# Altium PCB Quad-Stage-Prototype_V1.0.PcbDoc (part 2 of 3)
Units mm, origin at the board's own origin, x right, y up, seen from the top; angles counter-clockwise.
Board outline 267.25 x 88.5 mm, 2 copper layers (Top Layer, Bottom Layer), stack 1.548 mm thick; 272 components, 212 nets, 959 pads, 903 vias.
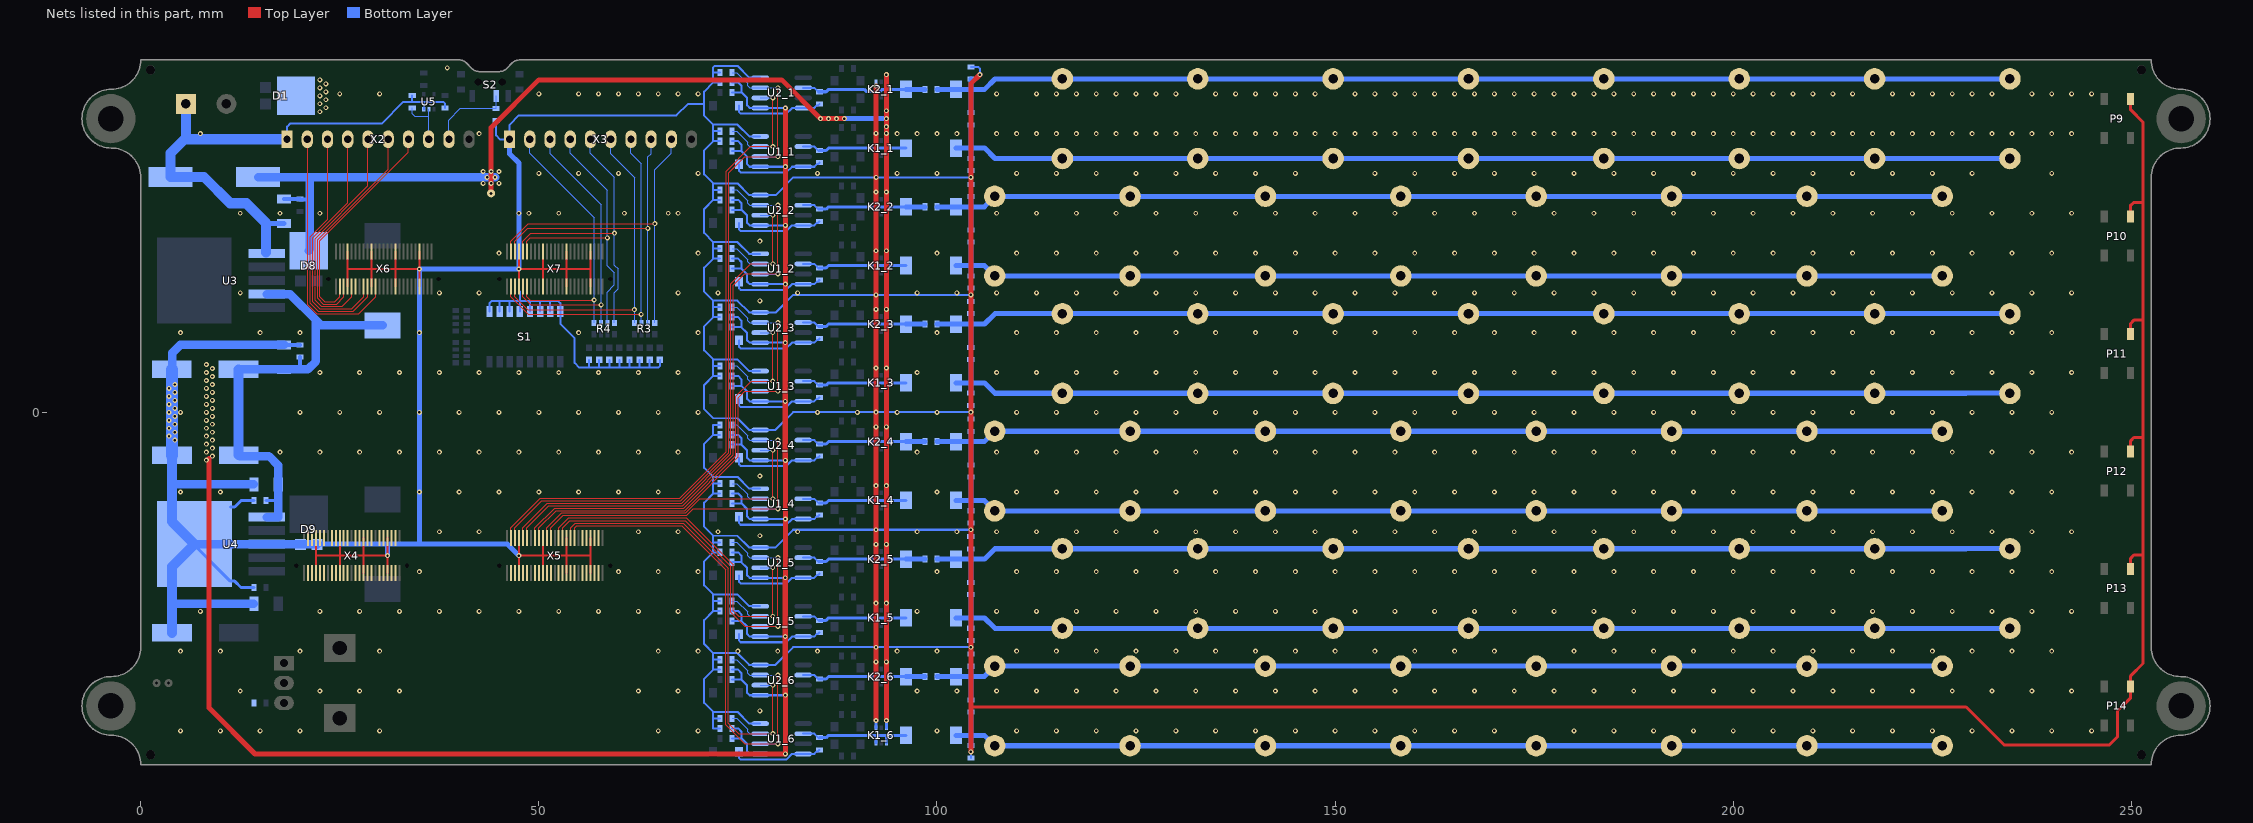
[diagram p2: the nets of this part, all layers, seen from the top]

## Via types
v1: diameter 0.62, hole 0.3, Top Layer to Bottom Layer, tented both sides, 903 vias

## Nets (pads, with @x,y where several pads share a name; then routed paths per layer and width w, separated by ;. In a path a pad name is that pad's centre, name@x,y a point inside that pad or via, vN(x,y) a via of type N, cw(c..) or ccw(c..) an arc to the next point about the centre after c; other vN are vias at no path point) (continued)
12V: C1_1.2 C1_2.2 C1_3.2 C1_4.2 C1_5.2 C1_6.2 C6_1.2 C6_2.2 C6_3.2 C6_4.2 C6_5.2 C6_6.2 C8.P C9.2 C10.2 C13.P C14.2 C15.2 D1.K L3.1 R5_1.2 R5_2.2 R5_3.2 R5_4.2 R5_5.2 R5_6.2 R8_1.2 R8_2.2 R8_3.2 R8_4.2 R8_5.2 R8_6.2 U1_1.1 U1_2.1 U1_3.1 U1_4.1 U1_5.1 U1_6.1 U2_1.1 U2_2.1 U2_3.1 U2_4.1 U2_5.1 U2_6.1 U3.4 U4.1 | length 368.7
  Top Layer w0.635: 8.6,-5.8 8.6,-37.144 14.353,-42.897 v1(80.953,-42.897) v1(80.953,-35.523) ; v1@80.949,-35.52 v1(80.949,-28.152) v1(80.949,-20.778) ; v1@80.949,-5.995 v1(80.949,1.373) v1(80.949,8.747) ; v1@80.953,-20.765 v1(80.953,-13.397) v1(80.953,-6.023) ; v1@80.953,8.735 v1(80.953,16.103) v1(80.953,23.477) ; v1@80.956,23.48 v1(80.956,30.848) v1(80.956,38.222)
  Bottom Layer w0.254: R5_5.2@74.258,-26.2 75.443,-26.2 ; C1_5.2@74.258,-24.95 75.019,-24.95 75.443,-25.374 75.443,-26.2 ; R8_5.2@74.258,-18.826 75.443,-18.826 ; C6_5.2@74.258,-17.576 75.019,-17.576 75.443,-18 75.443,-18.826 ; R5_3.2@74.258,3.325 75.443,3.325 ; C1_3.2@74.258,4.575 75.019,4.575 75.443,4.151 75.443,3.325 ; R8_3.2@74.258,10.699 75.443,10.699 ; C6_3.2@74.258,11.949 75.019,11.949 75.443,11.525 75.443,10.699 ; R5_6.2@74.262,-40.945 75.447,-40.945 ; C1_6.2@74.262,-39.695 75.023,-39.695 75.447,-40.119 75.447,-40.945 ; R8_6.2@74.262,-33.571 75.447,-33.571 ; C6_6.2@74.262,-32.321 75.023,-32.321 75.447,-32.745 75.447,-33.571 ; R5_4.2@74.262,-11.445 75.447,-11.445 ; C1_4.2@74.262,-10.195 75.023,-10.195 75.447,-10.619 75.447,-11.445 ; R8_4.2@74.262,-4.071 75.447,-4.071 ; C6_4.2@74.262,-2.821 75.023,-2.821 75.447,-3.245 75.447,-4.071 ; R5_2.2@74.262,18.055 75.447,18.055 ; C1_2.2@74.262,19.305 75.023,19.305 75.447,18.881 75.447,18.055 ; R8_2.2@74.262,25.429 75.447,25.429 ; C6_2.2@74.262,26.679 75.023,26.679 75.447,26.255 75.447,25.429 ; R5_1.2@74.265,32.8 75.45,32.8 ; C1_1.2@74.265,34.05 75.026,34.05 75.45,33.626 75.45,32.8 ; R8_1.2@74.265,40.174 75.45,40.174 ; C6_1.2@74.265,41.424 75.026,41.424 75.45,41 75.45,40.174 ; v1@80.949,-28.159 U1_5.1@77.796,-28.159 76.472,-28.159 76.143,-27.83 76.143,-26.9 75.443,-26.2 ; v1@80.949,-20.785 U2_5.1@77.796,-20.785 76.472,-20.785 76.143,-20.456 76.143,-19.526 75.443,-18.826 ; v1@80.949,1.366 U1_3.1@77.796,1.366 76.472,1.366 76.143,1.695 76.143,2.625 75.443,3.325 ; v1@80.949,8.74 U2_3.1@77.796,8.74 76.472,8.74 76.143,9.069 76.143,9.999 75.443,10.699 ; v1@80.953,-42.904 U1_6.1@77.8,-42.904 76.476,-42.904 76.147,-42.575 76.147,-41.645 75.447,-40.945 ; v1@80.953,-35.53 U2_6.1@77.8,-35.53 76.476,-35.53 76.147,-35.201 76.147,-34.271 75.447,-33.571 ; v1@80.953,-13.404 U1_4.1@77.8,-13.404 76.476,-13.404 76.147,-13.075 76.147,-12.145 75.447,-11.445 ; v1@80.953,-6.03 U2_4.1@77.8,-6.03 76.476,-6.03 76.147,-5.701 76.147,-4.771 75.447,-4.071 ; v1@80.953,16.096 U1_2.1@77.8,16.096 76.476,16.096 76.147,16.425 76.147,17.355 75.447,18.055 ; v1@80.953,23.47 U2_2.1@77.8,23.47 76.476,23.47 76.147,23.799 76.147,24.729 75.447,25.429 ; v1@80.956,30.841 U1_1.1@77.803,30.841 76.479,30.841 76.15,31.17 76.15,32.1 75.45,32.8 ; v1@80.956,38.215 U2_1.1@77.803,38.215 76.479,38.215 76.15,38.544 76.15,39.474 75.45,40.174
  Bottom Layer w0.381: C15.2@15.762,-11.1 17.266,-11.1 17.274,-11.092
  Bottom Layer w0.508: 20,5.401 C10.2@20,6.938
  Bottom Layer w1.067: C8.P@12.3,5.4 C9.2@18,5.401 ; C13.P@12.325,-5.4 12.425,-5.5 16.1,-5.5 17.274,-6.674 C14.2@17.274,-9.05 17.274,-11.092 17.274,-13.133 17.257,-13.15 U4.1@15.85,-13.15 ; U3.4@15.825,14.85 15.842,14.833 18.767,14.833 22,11.6 ; C9.2@18,5.401 20,5.401 21.001,5.401 22,6.4 22,11.6 ; L3.1@30.375,10.925 22.675,10.925 22,11.6
  Bottom Layer w1.27: C13.P@12.3,-5.375 C8.P@12.3,5.4
  other v1: 8.25,-6 9,-5.5 8.25,-5 9,-4.5 8.25,-4 9,-3.5 8.25,-3 9,-2.5 8.25,-2 9,-1.5 8.25,-1 9,-0.5 8.25,0 9,0.5 8.25,1 9,1.5 8.25,2 9,2.5 8.25,3 9,3.5 8.25,4 9,4.5 8.25,5 9,5.5 8.25,6 22.5,37.75 23.25,38.25 22.5,38.75 23.25,39.25 22.5,39.75 23.25,40.25 22.5,40.75 23.25,41.25 22.5,41.75
BCLK: X2.4 X6.8 | length 30.9
  Top Layer w0.152: X2.4@26.005,34.29 26.005,26.336 21.586,21.917 21.586,13.914 22.514,12.986 26.486,12.986 28,14.5 X6.8@28,15.8
C\S\: X2.7 X6.2 | length 28.7
  Top Layer w0.152: X6.2@25,15.8 25,14.5 24.4,13.9 23.1,13.9 22.51,14.49 22.51,21.547 33.625,32.663 X2.7@33.625,34.29
DATA: X2.2 X6.11 | length 31.9
  Top Layer w0.152: X2.2@20.976,34.29 20.976,13.524 22.124,12.376 27.376,12.376 29.5,14.5 X6.11@29.5,15.8
FPGA_A2: X4.2
FPGA_A3: X4.3
FPGA_A5: X4.5
FPGA_A6: X4.6
FPGA_A8: X4.8
FPGA_A9: X4.9
FPGA_A11: X4.11
FPGA_A12: X4.12
FPGA_A14: X4.14
FPGA_A15: X4.15
FPGA_A17: X4.17
FPGA_A18: X4.18
FPGA_A20: X4.20
FPGA_A21: X4.21
FPGA_A23: X4.23
FPGA_A24: X4.24
FPGA_A27: X4.27
FPGA_A28: X4.28
FPGA_A30: X4.30
FPGA_A31: X4.31
FPGA_A33: X4.33
FPGA_A34: X4.34
FPGA_A36: X4.36
FPGA_A37: X4.37
FPGA_A39: X4.39
FPGA_A40: X4.40
FPGA_A42: X4.42
FPGA_A43: X4.43
FPGA_A45: X4.45
FPGA_A46: X4.46
FPGA_A48: X4.48
FPGA_A49: X4.49
FPGA_B2: X5.2
FPGA_B3: X5.3
FPGA_B5: X5.5
FPGA_B6: X5.6
FPGA_B8: X5.8
FPGA_B9: X5.9
FPGA_B11: X5.11
FPGA_B12: X5.12
FPGA_B14: X5.14
FPGA_B15: X5.15
FPGA_B17: X5.17
FPGA_B18: X5.18
FPGA_B20: X5.20
FPGA_B21: X5.21
FPGA_B23: X5.23
FPGA_B24: X5.24
FPGA_B27: X5.27
FPGA_B28: X5.28
FPGA_B30: X5.30
FPGA_B31: X5.31
FPGA_C3: X2.6 X6.3 | length 28.9
  Top Layer w0.152: X6.3@25.5,15.8 25.5,14.5 24.595,13.595 22.905,13.595 22.205,14.295 22.205,21.674 31.085,30.554 X2.6@31.085,34.29
FPGA_C5: X2.5 X6.5 | length 29.7
  Top Layer w0.152: X6.5@26.5,15.8 26.5,14.5 25.29,13.29 22.705,13.29 21.9,14.095 21.9,21.8 28.545,28.445 X2.5@28.545,34.29
FPGA_C6: X6.6
FPGA_C9: X2.3 X6.9 | length 31.2
  Top Layer w0.152: X2.3@23.465,34.29 23.465,24.227 21.281,22.043 21.281,13.719 22.319,12.681 26.681,12.681 28.5,14.5 X6.9@28.5,15.8
FPGA_LED0: R3.8 X3.9 X7.49 | length 44.2
  Top Layer w0.152: X7.49@46.5,20.2 46.5,21.5 48.7,23.7 v1(64.567,23.7)
  Bottom Layer w0.152: R3.8@64.565,11.225 64.565,30.465 66.645,32.545 X3.9@66.645,34.29
FPGA_LED1: R3.7 X3.8 X7.48 | length 41.9
  Top Layer w0.152: X7.48@47,20.2 47,21.5 48.6,23.1 v1(63.7,23.1)
  Bottom Layer w0.152: R3.7@63.69,11.225 63.69,32.08 64.105,32.495 X3.8@64.105,34.29
FPGA_LED2: R3.6 X3.7 X7.2 | length 42.2
  Top Layer w0.152: X7.2@46.5,15.8 46.5,14.5 48.7,12.3 v1(62.85,12.3)
  Bottom Layer w0.152: X3.7@61.565,34.29 61.565,32.535 62.89,31.21 62.89,12.34 v1(62.85,12.3) 62.89,12.26 R3.6@62.89,11.225
FPGA_LED3: R3.5 X3.6 X7.3 | length 41.3
  Top Layer w0.152: X7.3@47,15.8 47,14.5 48.6,12.9 v1(62,12.9)
  Bottom Layer w0.152: X3.6@59.025,34.29 59.025,32.475 62.015,29.485 62.015,12.915 v1(62,12.9) 62.015,12.885 R3.5@62.015,11.225
FPGA_LED4: R4.8 X3.5 X7.46 | length 37.9
  Top Layer w0.152: X7.46@48,20.2 48,21.5 49,22.5 v1(59.5,22.5)
  Bottom Layer w0.152: X3.5@56.485,34.29 56.485,32.515 59.5,29.5 59.5,18.5 60,18 60,15.5 59.5,15 59.5,11.24 R4.8@59.485,11.225
FPGA_LED5: R4.7 X3.4 X7.45 | length 37.3
  Top Layer w0.152: X7.45@48.5,20.2 48.5,21.5 48.9,21.9 v1(58.6,21.9)
  Bottom Layer w0.152: X3.4@53.945,34.29 53.945,32.555 58.61,27.89 58.61,18.39 59.5,17.5 59.5,16 58.61,15.11 R4.7@58.61,11.225
FPGA_LED6: R4.6 X3.3 X7.5 | length 37.3
  Top Layer w0.152: X7.5@48,15.8 48,14.5 49,13.5 v1(57.825,13.5)
  Bottom Layer w0.152: X3.3@51.405,34.29 51.405,32.495 57.825,26.075 v1(57.825,13.5) 57.81,13.485 R4.6@57.81,11.225
FPGA_LED7: R4.5 X3.2 X7.6 | length 36.3
  Top Layer w0.152: X7.6@48.5,15.8 48.5,14.5 48.9,14.1 v1(56.95,14.1)
  Bottom Layer w0.152: X3.2@48.865,34.29 48.865,32.535 56.935,24.465 R4.5@56.935,11.225
GND: C1_1.1 C1_2.1 C1_3.1 C1_4.1 C1_5.1 C1_6.1 C3_1.2 C3_2.2 C3_3.2 C3_4.2 C3_5.2 C3_6.2 C5_1.2 C5_2.2 C5_3.2 C5_4.2 C5_5.2 C5_6.2 C6_1.1 C6_2.1 C6_3.1 C6_4.1 C6_5.1 C6_6.1 C8.M C9.1 C10.1 C11.1 C12.M C13.M C14.1 C15.1 C16.1 C17.M C18.1 D9.A K1_1.4 K1_2.4 K1_3.4 K1_4.4 K1_5.4 K1_6.4 K2_1.4 K2_2.4 K2_3.4 K2_4.4 K2_5.4 K2_6.4 P1.K P2.K P3.K P4.K P5.K P6.K P7.K P8.K P9.3 P10.3 P11.3 P12.3 P13.3 P14.3 R11_1.1 R11_2.1 R11_3.1 R11_4.1 R11_5.1 R11_6.1 R12_1.1 R12_2.1 R12_3.1 R12_4.1 R12_5.1 R12_6.1 R16.1 R17.1 R18.1 R20.1 S1.1 S1.2 S1.3 S1.4 S1.5 S1.6 S1.7 S1.8 U1_1.4 U1_2.4 U1_3.4 U1_4.4 U1_5.4 U1_6.4 U2_1.4 U2_2.4 U2_3.4 U2_4.4 U2_5.4 U2_6.4 U3.1 U4.3 U5.3 X1.1 X2.1 X3.1 X4.4 X4.10 X4.16 X4.22 X4.29 X4.35 X4.41 X4.47 X5.4 X5.10 X5.16 X5.22 X5.29 X5.35 X5.41 X5.47 X6.4 X6.10 X6.16 X6.22 X6.29 X6.35 X6.41 X6.47 X7.4 X7.10 X7.16 X7.22 X7.29 X7.35 X7.41 X7.47 | length 1204.5
  Top Layer w0.25: X4.4@22,-20.2 22,-18 ; X4.47@22,-15.8 22,-18 ; X4.10@25,-20.2 25,-18 ; X4.41@25,-15.8 25,-18 ; X6.4@26,15.8 26,18 ; X6.47@26,20.2 26,18 ; X4.16@28,-20.2 28,-18 ; X4.35@28,-15.8 28,-18 ; X6.10@29,15.8 29,18 ; X6.41@29,20.2 29,18 ; X4.22@31,-20.2 v1(31,-18) ; X4.29@31,-15.8 v1(31,-18) ; X6.16@32,15.8 32,18 ; X6.35@32,20.2 32,18 ; X6.22@35,15.8 v1(35,18) ; X6.29@35,20.2 v1(35,18) ; X5.4@47.5,-20.2 v1(47.5,-18) ; X5.47@47.5,-15.8 v1(47.5,-18) ; X7.4@47.5,15.8 v1(47.5,18) ; X7.47@47.5,20.2 v1(47.5,18) ; X5.10@50.5,-20.2 50.5,-18 ; X5.41@50.5,-15.8 50.5,-18 ; X7.10@50.5,15.8 50.5,18 ; X7.41@50.5,20.2 50.5,18 ; X5.16@53.5,-20.2 53.5,-18 ; X5.35@53.5,-15.8 53.5,-18 ; X7.16@53.5,15.8 53.5,18 ; X7.35@53.5,20.2 53.5,18 ; X5.22@56.5,-20.2 56.5,-18 ; X5.29@56.5,-15.8 56.5,-18 ; X7.22@56.5,15.8 56.5,18 ; X7.29@56.5,20.2 56.5,18 ; 22,-18 25,-18 ; 25,-18 28,-18 ; 26,18 29,18 ; 28,-18 v1(31,-18) ; 29,18 32,18 ; 32,18 v1(35,18) ; v1(47.5,-18) 50.5,-18 ; v1(47.5,18) 50.5,18 ; 50.5,-18 53.5,-18 ; 50.5,18 53.5,18 ; 53.5,-18 56.5,-18 ; 53.5,18 56.5,18
  Top Layer w0.381: 104.246,-37 229.25,-37 234,-41.75 247.25,-41.75 248.25,-40.75 248.25,-37.5 249.9,-35.85 P14.3@249.9,-34.425 249.9,-33.087 251.455,-31.532 251.455,-17.925 ; P10.3@249.869,24.606 249.869,25.944 250.281,26.356 251.424,26.356 ; P13.3@249.9,-19.675 249.9,-18.337 250.312,-17.925 251.455,-17.925 ; P12.3@249.9,-4.925 249.9,-3.587 250.312,-3.175 251.455,-3.175 ; P11.3@249.9,9.825 249.9,11.163 250.312,11.575 251.455,11.575 ; P9.3@249.9,39.325 249.9,37.987 251.455,36.432 251.455,11.575 ; 251.455,-17.925 251.455,-3.175 ; 251.455,-3.175 251.455,11.575
  Top Layer w0.635: v1@92.34,-31.329 v1(92.34,-23.961) ; v1@92.34,-1.804 v1(92.34,5.564) ; v1(92.344,-38.706) v1(92.344,-31.332) ; v1@92.344,-23.961 v1(92.344,-9.206) v1(92.344,-1.832) ; v1@92.344,5.564 v1(92.344,20.294) v1(92.344,27.668) ; v1@92.347,27.671 v1(92.347,35.039) v1(92.347,40.963) ; v1(104.246,-29.501) 104.246,-37 104.246,-42.639 v1(104.25,-42.643) ; v1@104.253,-29.501 104.253,-14.746 104.253,0.024 v1(104.253,29.499) 104.253,41.274 v1(105.392,42.413)
  Bottom Layer w0.25: X2.1@18.385,34.29 18.385,35.885 18.75,36.25 30.25,36.25 33,39 34.1,39 ; R20.1@34.1,39.762 34.1,39 ; U5.3@35.55,38.05 35.55,38.95 35.6,39 ; C18.1@38.2,38.238 38.2,38.8 38,39 35.6,39 ; S1.1@43.805,12.65 43.805,13.705 44.1,14 45.1,14 ; R16.1@44.625,36.638 44.625,34.775 45.11,34.29 X3.1@46.325,34.29 46.325,36.105 47.5,37.28 67.28,37.28 68.75,38.75 70.757,38.75 ; S1.2@45.075,12.65 45.075,13.975 45.1,14 ; S1.3@46.345,12.65 46.345,13.975 ; v1(47.5,18) 47.5,15.3 47.615,15.185 47.615,14 ; S1.4@47.615,12.65 47.615,13.975 ; S1.5@48.885,12.65 48.885,13.975 ; S1.6@50.155,12.65 50.155,13.975 ; S1.7@51.425,12.65 51.425,13.975 ; P8.K@56.305,6.6 56.305,5.605 56.3,5.6 ; 57.575,5.605 P7.K@57.575,6.6 ; 58.845,5.605 P6.K@58.845,6.6 ; 60.115,5.605 P5.K@60.115,6.6 ; 61.385,5.605 P4.K@61.385,6.6 ; 62.655,5.605 P3.K@62.655,6.6 ; 63.925,5.605 P2.K@63.925,6.6 ; P1.K@65.195,6.6 65.195,5.795 65,5.6 63.925,5.6 62.655,5.6 61.385,5.6 60.115,5.6 58.845,5.6 57.575,5.6 56.3,5.6 ; C1_5.1@72.734,-24.95 71.893,-24.95 ; R11_5.1@72.734,-23.7 71.893,-23.7 ; C6_5.1@72.734,-17.576 71.893,-17.576 ; R12_5.1@72.734,-16.326 71.893,-16.326 ; C1_3.1@72.734,4.575 71.893,4.575 ; R11_3.1@72.734,5.825 71.893,5.825 ; C6_3.1@72.734,11.949 71.893,11.949 ; R12_3.1@72.734,13.199 71.893,13.199 ; C1_6.1@72.738,-39.695 71.897,-39.695 71.897,-38.445 ; R11_6.1@72.738,-38.445 71.897,-38.445 ; C6_6.1@72.738,-32.321 71.897,-32.321 ; R12_6.1@72.738,-31.071 71.897,-31.071 ; C1_4.1@72.738,-10.195 71.897,-10.195 ; R11_4.1@72.738,-8.945 71.897,-8.945 ; C6_4.1@72.738,-2.821 71.897,-2.821 ; R12_4.1@72.738,-1.571 71.897,-1.571 71.897,-2.821 ; C1_2.1@72.738,19.305 71.897,19.305 ; R11_2.1@72.738,20.555 71.897,20.555 ; C6_2.1@72.738,26.679 71.897,26.679 ; R12_2.1@72.738,27.929 71.897,27.929 ; C1_1.1@72.741,34.05 71.9,34.05 ; R11_1.1@72.741,35.3 71.9,35.3 ; C6_1.1@72.741,41.424 71.9,41.424 ; R12_1.1@72.741,42.674 71.9,42.674 ; U1_5.4@77.796,-24.349 76.418,-24.349 74.943,-22.874 71.893,-22.874 ; U2_5.4@77.796,-16.975 76.418,-16.975 74.943,-15.5 71.893,-15.5 ; U1_3.4@77.796,5.176 76.418,5.176 74.943,6.651 71.893,6.651 ; U2_3.4@77.796,12.55 76.418,12.55 74.943,14.025 71.893,14.025 ; U1_6.4@77.8,-39.094 76.422,-39.094 74.947,-37.619 71.897,-37.619 ; U2_6.4@77.8,-31.72 76.422,-31.72 74.947,-30.245 71.897,-30.245 ; U1_4.4@77.8,-9.594 76.422,-9.594 74.947,-8.119 71.897,-8.119 ; U2_4.4@77.8,-2.22 76.422,-2.22 74.947,-0.745 71.897,-0.745 70.75,0.402 70.75,3.432 71.893,4.575 ; U1_2.4@77.8,19.906 76.422,19.906 74.947,21.381 71.897,21.381 ; U2_2.4@77.8,27.28 76.422,27.28 74.947,28.755 71.897,28.755 ; U1_1.4@77.803,34.651 76.425,34.651 74.95,36.126 71.9,36.126 ; U2_1.4@77.803,42.025 76.425,42.025 74.95,43.5 72.081,43.5 71.9,43.319 71.9,42.674 ; C3_6.2@104.25,-43.387 v1(104.25,-42.643) ; C5_2.2@104.25,28.637 C5_2.2@104.253,28.64 ; C5_1.2@104.253,43.382 105.168,43.382 105.392,43.158 v1(105.392,42.413) v1@105.292,42.413 ; 34.1,39 35.6,39 ; 45.1,14 46.345,14 47.615,14 ; 47.615,14 48.885,14 50.155,14 51.425,14 52.4,14 52.695,13.705 S1.8@52.695,12.65 52.695,11.105 54.5,9.3 54.5,6.2 55.1,5.6 56.3,5.6 ; 70.757,38.75 70.757,40.281 71.9,41.424 ; 70.757,38.75 70.757,37.269 71.9,36.126 ; 71.893,-24.95 71.893,-23.7 ; 71.893,-24.95 70.75,-26.093 70.75,-29.098 71.897,-30.245 ; 71.893,-23.7 71.893,-22.874 ; 71.893,-22.874 70.75,-21.731 70.75,-18.719 71.893,-17.576 ; 71.893,-17.576 71.893,-16.326 ; 71.893,-16.326 71.893,-15.5 ; 71.893,-15.5 70.754,-14.361 70.754,-11.338 71.897,-10.195 ; 71.893,4.575 71.893,5.825 ; 71.893,5.825 71.893,6.651 ; 71.893,6.651 70.75,7.794 70.75,10.806 71.893,11.949 ; 71.893,11.949 71.893,13.199 ; 71.893,13.199 71.893,14.025 ; 71.893,14.025 70.754,15.164 70.754,18.162 71.897,19.305 ; 71.897,-38.445 71.897,-37.619 ; 71.897,-37.619 70.754,-36.476 70.754,-33.464 71.897,-32.321 ; 71.897,-32.321 71.897,-31.071 ; 71.897,-31.071 71.897,-30.245 ; 71.897,-10.195 71.897,-8.945 ; 71.897,-8.945 71.897,-8.119 ; 71.897,-8.119 70.754,-6.976 70.754,-3.964 71.897,-2.821 ; 71.897,19.305 71.897,20.555 ; 71.897,20.555 71.897,21.381 ; 71.897,21.381 70.754,22.524 70.754,25.536 71.897,26.679 ; 71.897,26.679 71.897,27.929 ; 71.897,27.929 71.897,28.755 ; 71.897,28.755 70.757,29.895 70.757,32.907 71.9,34.05 ; 71.9,34.05 71.9,35.3 ; 71.9,35.3 71.9,36.126 ; 71.9,41.424 71.9,42.674
  Bottom Layer w0.254: U2_6.4@77.793,-31.72 79.723,-31.72 81.942,-29.501 v1(104.246,-29.501) ; U2_4.4@77.793,-2.195 79.723,-2.195 81.942,0.024 85,0.024 90,0.024 v1(92.343,0.025) 95,0.024 100,0.024 v1(104.246,0.024) ; U2_5.4@77.797,-16.965 79.727,-16.965 81.946,-14.746 v1(104.25,-14.746) ; U2_3.4@77.797,12.535 79.727,12.535 81.946,14.754 v1(92.347,14.755) v1(104.25,14.754) ; U2_2.4@77.8,27.28 79.73,27.28 81.949,29.499 v1(92.35,29.5) v1(104.253,29.499)
  Bottom Layer w0.381: U4.3@6.75,-16.55 6.75,-16.689 11.259,-21.198 11.798,-21.198 12.6,-22 R18.1@14.238,-22 ; U4.3@11.259,-11.902 11.798,-11.902 12.6,-11.1 C15.1@14.238,-11.1 ; K1_5.4@92.346,-24.867 v1@92.346,-23.967 ; K2_5.4@92.346,-17.493 v1@92.346,-16.593 ; K1_3.4@92.346,4.658 v1@92.346,5.558 ; K2_3.4@92.346,12.032 v1@92.346,12.932 ; K1_6.4@92.35,-39.612 v1@92.35,-38.712 ; K2_6.4@92.35,-32.238 v1@92.35,-31.338 ; K1_4.4@92.35,-10.112 v1@92.35,-9.212 ; K2_4.4@92.35,-2.738 v1@92.35,-1.838 ; K1_2.4@92.35,19.388 v1@92.35,20.288 ; K2_2.4@92.35,26.762 v1@92.35,27.662 ; K1_1.4@92.353,34.133 v1@92.353,35.033 ; C5_6.2@104.246,-30.36 v1(104.246,-29.501) C3_5.2@104.246,-28.642 ; C5_4.2@104.246,-0.835 v1(104.246,0.024) C3_3.2@104.246,0.883 ; C5_5.2@104.25,-15.605 v1(104.25,-14.746) C3_4.2@104.25,-13.887 ; C5_3.2@104.25,13.895 v1(104.25,14.754) C3_2.2@104.25,15.613 ; C5_2.2@104.253,28.64 v1(104.253,29.499) C3_1.2@104.253,30.358
  Bottom Layer w0.508: C9.1@18,8.449 18.013,8.462 C10.1@20,8.462
  Bottom Layer w0.635: 15.75,23.75 15.754,23.746 15.774,23.726 C11.1@18,23.726 ; D9.A@22.085,-16.55 31,-16.55 ; v1(31,-18) 31,-16.55 ; X3.1@46.325,34.29 46.325,32.475 47.5,31.3 v1(47.5,25) v1(47.5,18) v1(35,18) v1(35,10) v1(35,0) v1(35,-10) 35,-16.55 ; v1(47.5,-18) 46.05,-16.55 35,-16.55 ; 31,-16.55 35,-16.55
  Bottom Layer w1.067: C8.M@3.9,5.4 3.975,5.475 3.975,7.475 4.962,8.462 C9.1@18.013,8.462 ; 3.925,-23.9 4.075,-24.05 C16.1@14.226,-24.05 ; 4.075,-9.05 C14.1@14.226,-9.05 ; U4.3@6.75,-16.55 U4.3@15.85,-16.55 20.06,-16.55 22.085,-16.55 D9.A@22.14,-16.605
  Bottom Layer w1.27: C8.M@3.9,5.4 C8.M@3.925,5.375 ; C17.M@3.925,-27.7 3.925,-23.9 3.925,-19.375 U4.3@6.75,-16.55 3.925,-13.725 3.925,-9.05 C13.M@3.925,-5.4 ; X1.1@5.685,38.735 5.685,34.485 5.49,34.29 ; 15.75,23.75 13.25,26.25 11.25,26.25 7.95,29.55 C12.M@3.75,29.55 3.75,32.55 5.49,34.29 ; U3.1@15.754,20.1 15.754,23.746 ; X2.1@18.385,34.29 5.49,34.29
  Bottom Layer w1.524: C13.M@3.925,-5.4 3.925,-3 3.925,-2 3.925,-1 3.925,0 3.925,1 3.925,2 3.925,3 C8.M@3.925,5.375
  other v1: 5,-40 10,-40 15,-40 20,-40 30,-40 65,-40 70,-40 100,-40 110,-40 115,-40 120,-40 125,-40 130,-40 135,-40 140,-40 145,-40 150,-40 155,-40 160,-40 165,-40 170,-40 180,-40 185,-40 190,-40 195,-40 200,-40 205,-40 210,-40 215,-40 220,-40 225,-40 230,-40 235,-40 240,-40 245,-40 77.75,-37.5 12.5,-35 22.5,-35 27.5,-35 32.5,-35 62.5,-35 67.5,-35 97.5,-35 102.5,-35 107.5,-35 112.5,-35 117.5,-35 122.5,-35 127.5,-35 132.5,-35 137.5,-35 142.5,-35 147.5,-35 152.5,-35 157.5,-35 162.5,-35 167.5,-35 172.5,-35 177.5,-35 182.5,-35 187.5,-35 192.5,-35 197.5,-35 202.5,-35 207.5,-35 212.5,-35 217.5,-35 222.5,-35 227.5,-35 232.5,-35 237.5,-35 242.5,-35 5,-30 10,-30 20,-30 30,-30 65,-30 70,-30 75,-30 80,-30 85,-30 95,-30 100,-30 110,-30 115,-30 120,-30 125,-30 130,-30 135,-30 140,-30 145,-30 150,-30 155,-30 160,-30 165,-30 170,-30 180,-30 185,-30 190,-30 195,-30 200,-30 205,-30 210,-30 215,-30 220,-30 225,-30 230,-30 235,-30 240,-30 92.343,-29.5 7.5,-25 22.5,-25 27.5,-25 32.5,-25 37.5,-25 42.5,-25 47.5,-25 52.5,-25 57.5,-25 62.5,-25 67.5,-25 97.5,-25 107.5,-25 112.5,-25 117.5,-25 122.5,-25 127.5,-25 132.5,-25 137.5,-25 142.5,-25 147.5,-25 152.5,-25 157.5,-25 162.5,-25 167.5,-25 172.5,-25 177.5,-25 182.5,-25 187.5,-25 192.5,-25 197.5,-25 202.5,-25 207.5,-25 212.5,-25 217.5,-25 222.5,-25 227.5,-25 232.5,-25 237.5,-25 242.5,-25 35,-20 60,-20 65,-20 70,-20 100,-20 110,-20 115,-20 120,-20 125,-20 130,-20 135,-20 140,-20 145,-20 150,-20 155,-20 160,-20 165,-20 170,-20 175,-20 180,-20 185,-20 190,-20 195,-20 200,-20 205,-20 210,-20 215,-20 220,-20 225,-20 230,-20 235,-20 240,-20 92.34,-16.587 77.75,-15.5 37.5,-15 42.5,-15 62.5,-15 67.5,-15 72.5,-15 82.5,-15 97.5,-15 102.5,-15 107.5,-15 112.5,-15 117.5,-15 122.5,-15 127.5,-15 132.5,-15 137.5,-15 142.5,-15 147.5,-15 152.5,-15 157.5,-15 162.5,-15 167.5,-15 172.5,-15 177.5,-15 182.5,-15 187.5,-15 192.5,-15 197.5,-15 202.5,-15 207.5,-15 212.5,-15 217.5,-15 222.5,-15 227.5,-15 232.5,-15 237.5,-15 242.5,-15 92.347,-14.745 5,-10 10,-10 40,-10 45,-10 50,-10 55,-10 60,-10 65,-10 100,-10 110,-10 115,-10 120,-10 125,-10 130,-10 135,-10 140,-10 145,-10 150,-10 155,-10 160,-10 165,-10 170,-10 175,-10 180,-10 185,-10 190,-10 195,-10 200,-10 205,-10 210,-10 215,-10 220,-10 225,-10 230,-10 235,-10 240,-10 77.75,-8 17.5,-5 22.5,-5 27.5,-5 32.5,-5 37.5,-5 42.5,-5 47.5,-5 52.5,-5 57.5,-5 62.5,-5 67.5,-5 97.5,-5 107.5,-5 112.5,-5 117.5,-5 122.5,-5 127.5,-5 132.5,-5 137.5,-5 142.5,-5 147.5,-5 152.5,-5 157.5,-5 162.5,-5 167.5,-5 172.5,-5 177.5,-5 182.5,-5 187.5,-5 192.5,-5 197.5,-5 202.5,-5 207.5,-5 212.5,-5 217.5,-5 222.5,-5 227.5,-5 232.5,-5 237.5,-5 242.5,-5 4.3,-3.5 3.55,-3 4.3,-2.5 3.55,-2 4.3,-1.5 3.55,-1 4.3,-0.5 3.55,0 5,0 20,0 25,0 30,0 40,0 45,0 50,0 55,0 60,0 65,0 70,0 85,0 90,0 95,0 100,0 110,0 115,0 120,0 125,0 130,0 135,0 140,0 145,0 150,0 155,0 160,0 165,0 170,0 175,0 180,0 185,0 190,0 195,0 200,0 205,0 210,0 215,0 220,0 225,0 230,0 235,0 240,0 4.3,0.5 3.55,1 4.3,1.5 3.55,2 4.3,2.5 3.55,3 4.3,3.5 22.5,5 27.5,5 32.5,5 37.5,5 42.5,5 47.5,5 52.5,5 57.5,5 62.5,5 67.5,5 97.5,5 107.5,5 112.5,5 117.5,5 122.5,5 127.5,5 132.5,5 137.5,5 142.5,5 147.5,5 152.5,5 157.5,5 162.5,5 167.5,5 172.5,5 177.5,5 182.5,5 187.5,5 192.5,5 197.5,5 202.5,5 207.5,5 212.5,5 217.5,5 222.5,5 227.5,5 232.5,5 237.5,5 242.5,5 5,10 15,10 20,10 55,10 70,10 100,10 110,10 115,10 120,10 125,10 130,10 135,10 140,10 145,10 150,10 155,10 160,10 165,10 170,10 175,10 180,10 185,10 190,10 195,10 200,10 205,10 210,10 215,10 220,10 225,10 230,10 235,10 240,10 92.34,12.938 77.75,14 12.5,15 37.5,15 42.5,15 67.5,15 72.5,15 82.5,15 97.5,15 102.5,15 107.5,15 112.5,15 117.5,15 122.5,15 127.5,15 132.5,15 137.5,15 142.5,15 147.5,15 152.5,15 157.5,15 162.5,15 167.5,15 172.5,15 177.5,15 182.5,15 187.5,15 192.5,15 197.5,15 202.5,15 207.5,15 212.5,15 217.5,15 222.5,15 227.5,15 232.5,15 237.5,15 242.5,15 45,20 70,20 100,20 110,20 115,20 120,20 125,20 130,20 135,20 140,20 145,20 150,20 155,20 160,20 165,20 170,20 175,20 180,20 185,20 190,20 195,20 200,20 205,20 210,20 215,20 220,20 225,20 230,20 235,20 240,20 77.75,21.5 12.5,25 17.5,25 22.5,25 48.75,25 52.5,25 60.75,25 66.25,25 67.5,25 107.5,25 112.5,25 117.5,25 122.5,25 127.5,25 132.5,25 137.5,25 142.5,25 147.5,25 152.5,25 157.5,25 162.5,25 167.5,25 172.5,25 177.5,25 182.5,25 187.5,25 192.5,25 197.5,25 202.5,25 207.5,25 212.5,25 217.5,25 222.5,25 227.5,25 232.5,25 237.5,25 242.5,25 50,30 55,30 60,30 70,30 85,30 95,30 100,30 110,30 115,30 120,30 125,30 130,30 135,30 140,30 145,30 155,30 160,30 165,30 170,30 175,30 180,30 185,30 190,30 195,30 200,30 205,30 210,30 215,30 220,30 225,30 230,30 240,30 7.5,35 42.5,35 95,35 97.5,35 100,35 102.5,35 107.5,35 110,35 112.5,35 115,35 117.5,35 120,35 122.5,35 125,35 127.5,35 130,35 132.5,35 135,35 137.5,35 140,35 142.5,35 145,35 147.5,35 150,35 152.5,35 155,35 157.5,35 160,35 162.5,35 165,35 167.5,35 170,35 172.5,35 175,35 177.5,35 180,35 182.5,35 185,35 187.5,35 190,35 192.5,35 195,35 197.5,35 200,35 202.5,35 205,35 207.5,35 210,35 212.5,35 215,35 217.5,35 220,35 222.5,35 225,35 227.5,35 230,35 232.5,35 235,35 237.5,35 240,35 242.5,35 25,40 30,40 50,40 55,40 57.5,40 60,40 62.5,40 65,40 67.5,40 70,40 107.5,40 112.5,40 115,40 117.5,40 120,40 122.5,40 125,40 127.5,40 130,40 135,40 137.5,40 140,40 142.5,40 145,40 147.5,40 152.5,40 155,40 157.5,40 160,40 162.5,40 165,40 167.5,40 170,40 172.5,40 175,40 177.5,40 180,40 182.5,40 185,40 187.5,40 190,40 192.5,40 195,40 197.5,40 200,40 202.5,40 205,40 207.5,40 210,40 212.5,40 215,40 220,40 222.5,40 225,40 227.5,40 230,40 232.5,40 237.5,40 240,40 242.5,40 245,40 38.5,43.25